# KiCad board roboRIO-interface-v3.kicad_pcb
title: roboRIO Interface; date: 2025-12-31; rev: 3; company: 1868 SPACE COOKIES
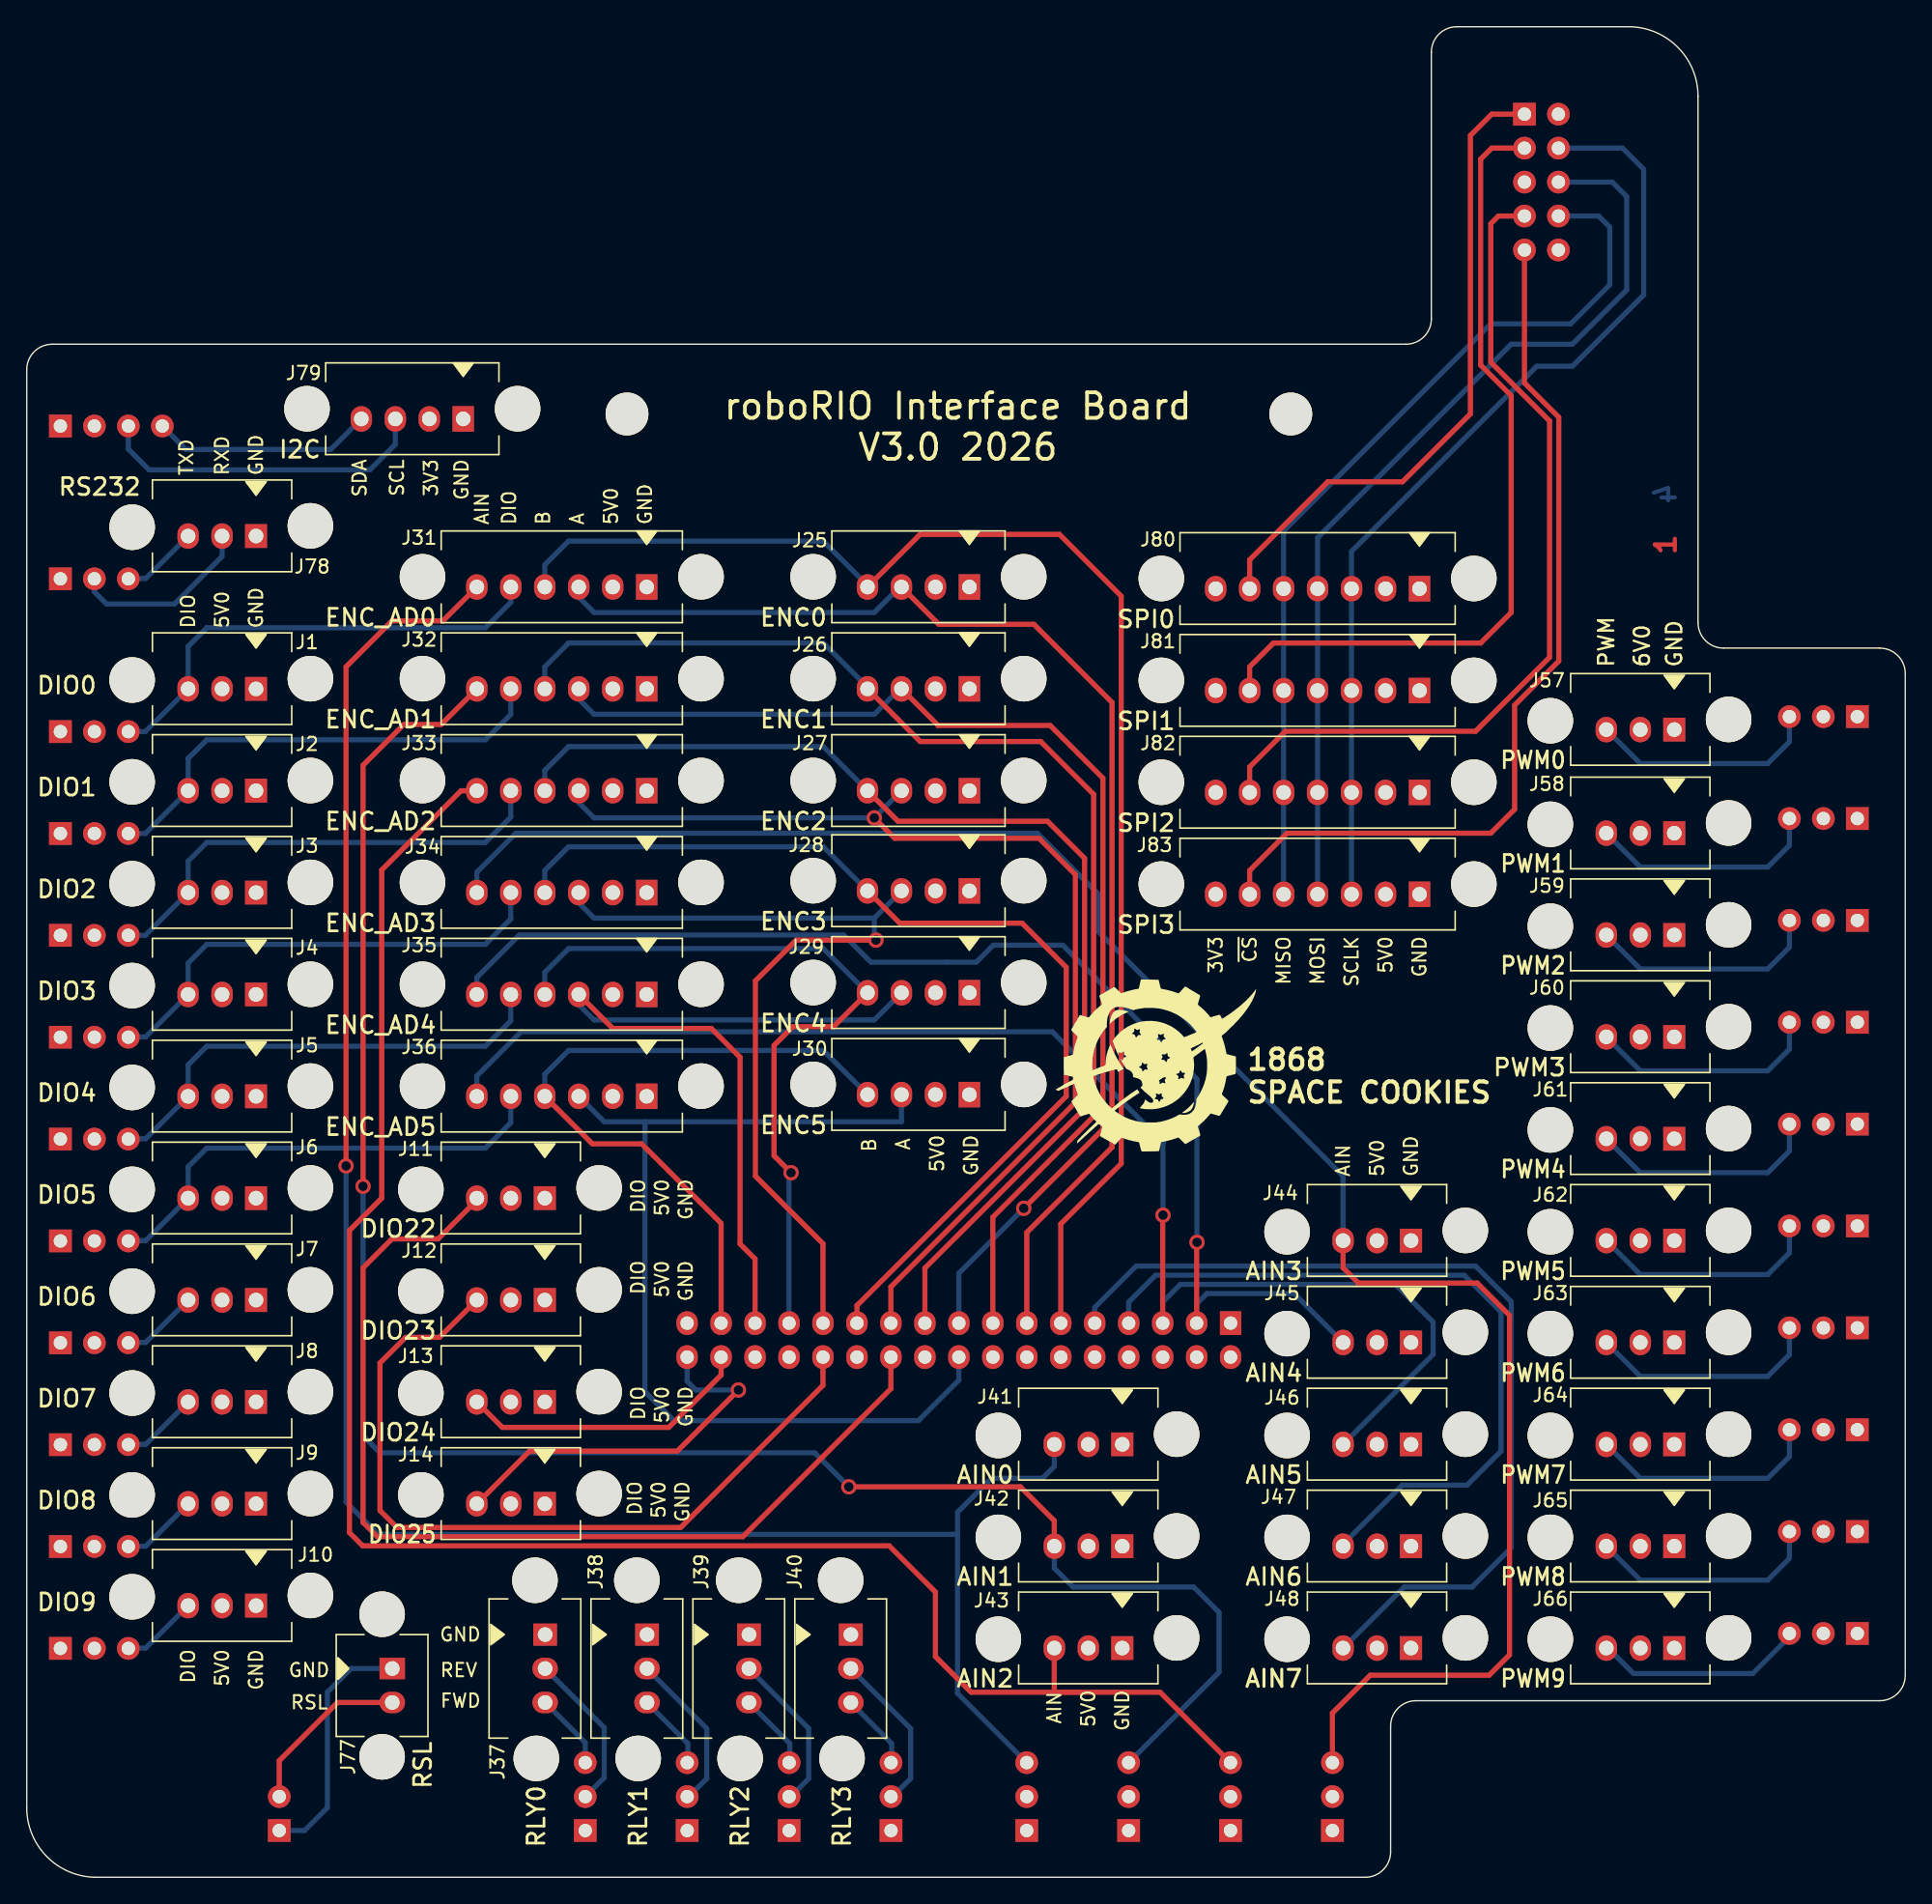
[diagram p0: board, top side]
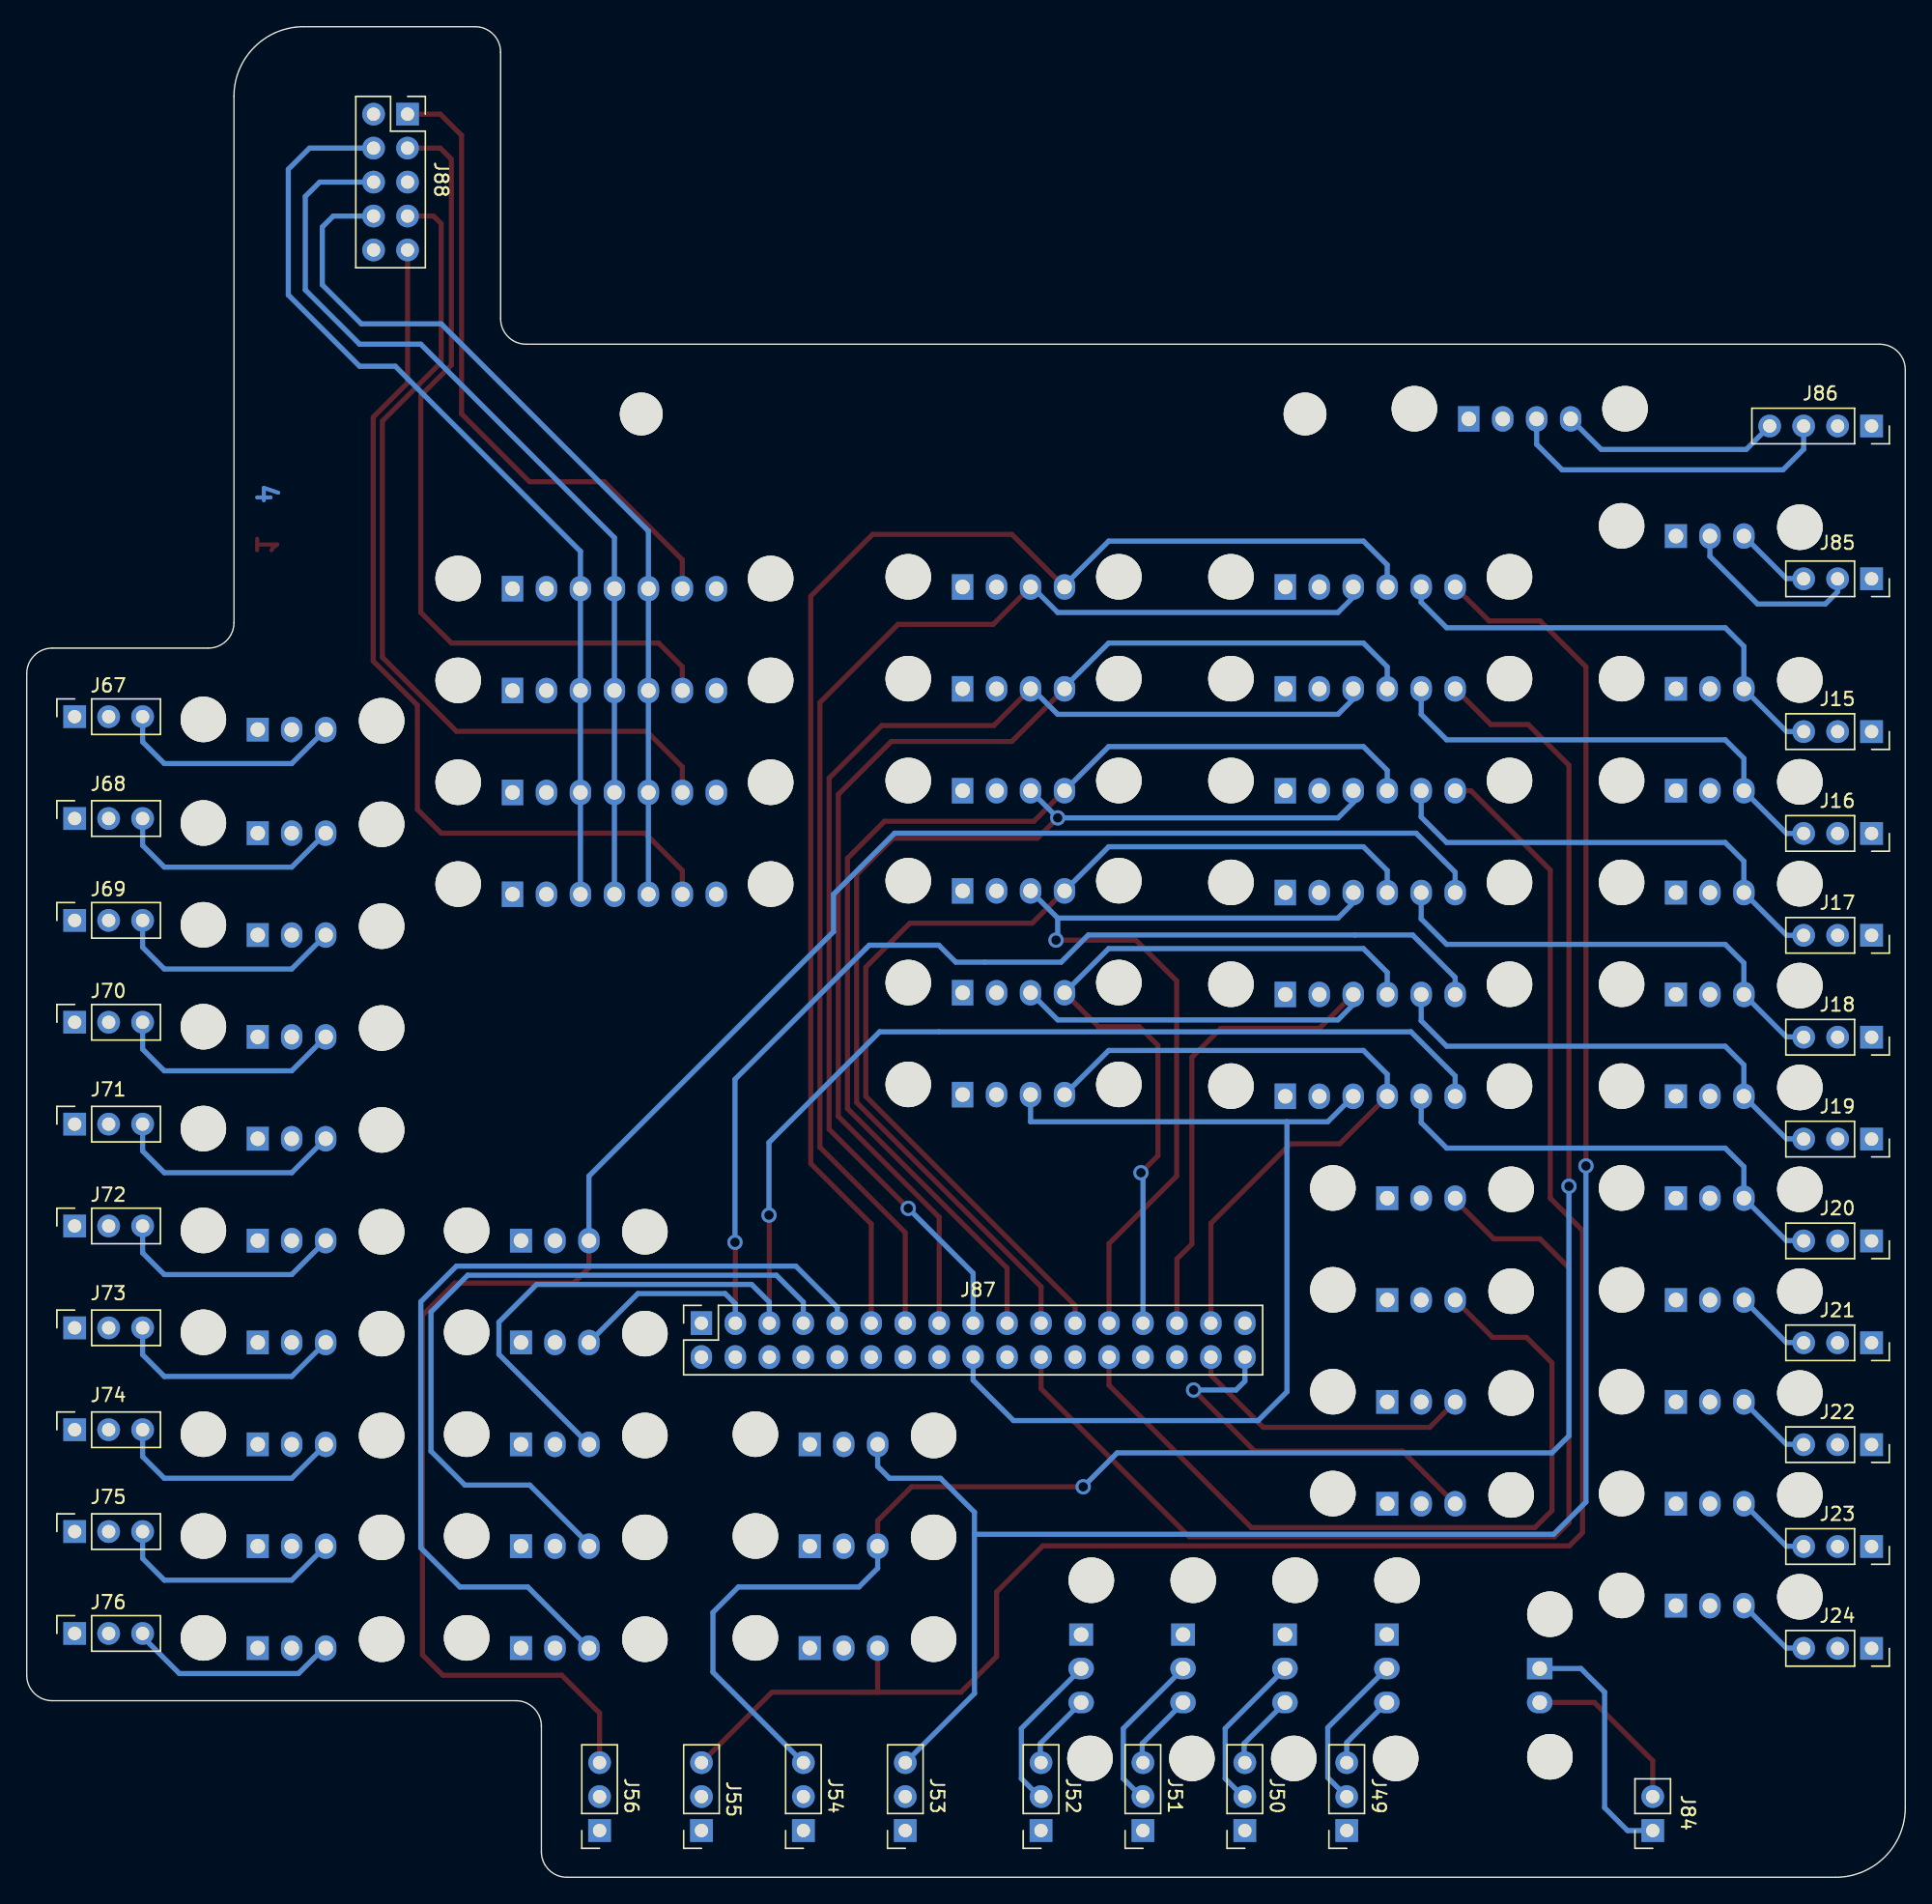
[diagram p1: board, bottom side, seen from below]

Outline 140.46 x 138.43 mm; copper layers: Top, In1.Cu, In2.Cu, Bottom. Coordinates in mm from the lower left corner of the outline.
Outline path: 0,112.78 arc(0.56,114.12) 1.91,114.68 103.12,114.68 arc(104.47,115.24) 105.03,116.59 105.03,136.52 arc(105.59,137.87) 106.93,138.43 119.76,138.43 arc(123.44,136.9) 124.97,133.22 124.97,93.85 arc(125.53,92.51) 126.87,91.95 138.56,91.95 arc(139.9,91.39) 140.46,90.04 140.46,15.11 arc(139.9,13.77) 138.56,13.21 103.89,13.21 arc(102.54,12.65) 101.98,11.3 101.98,1.91 arc(101.42,0.56) 100.08,0 5.21,0 arc(1.53,1.53) 0,5.21 0,112.78
Stack: Top 0.035mm / dielectric 0.508mm FR4 er 4.5 / In1.Cu 0.035mm / dielectric 0.508mm FR4 er 4.5 / In2.Cu 0.035mm / dielectric 0.508mm FR4 er 4.5 / Bottom 0.035mm

## Placement (name value [footprint] x y rotation side)
G1  Space Cookies Logo  [SPACE_COOKIES_LOGO_15mm]  84.43 60.73 0 top
H1  MountingHole  [MountingHole_3.2mm_M3]  44.88 109.46 0 top
H2  MountingHole  [MountingHole_3.2mm_M3]  94.51 109.46 0 top
J1  DIO0  [70541-0002]  17.15 88.9 0 top  (not fitted)
J2  DIO1  [70541-0002]  17.15 81.28 0 top  (not fitted)
J3  DIO2  [70541-0002]  17.15 73.66 0 top  (not fitted)
J4  DIO3  [70541-0002]  17.15 66.04 0 top  (not fitted)
J5  DIO4  [70541-0002]  17.15 58.42 0 top
J6  DIO5  [70541-0002]  17.15 50.8 0 top
J7  DIO6  [70541-0002]  17.15 43.18 0 top
J8  DIO7  [70541-0002]  17.15 35.56 0 top
J9  DIO8  [70541-0002]  17.15 27.94 0 top  (not fitted)
J10  DIO9  [70541-0002]  17.15 20.32 0 top  (not fitted)
J11  DIO22  [70541-0002]  38.74 50.8 0 top  (not fitted)
J12  DIO23  [70541-0002]  38.74 43.18 0 top  (not fitted)
J13  DIO24  [70541-0002]  38.74 35.56 0 top  (not fitted)
J14  DIO25  [70541-0002]  38.74 27.94 0 top  (not fitted)
J15  RR_DIO0  [PinSocket_1x03_P2.54mm_Vertical]  2.52 85.7 270 bottom
J16  RR_DIO1  [PinSocket_1x03_P2.54mm_Vertical]  2.52 78.08 270 bottom  (not fitted)
J17  RR_DIO2  [PinSocket_1x03_P2.54mm_Vertical]  2.52 70.46 270 bottom  (not fitted)
J18  RR_DIO3  [PinSocket_1x03_P2.54mm_Vertical]  2.52 62.84 270 bottom  (not fitted)
J19  RR_DIO4  [PinSocket_1x03_P2.54mm_Vertical]  2.52 55.22 270 bottom
J20  RR_DIO5  [PinSocket_1x03_P2.54mm_Vertical]  2.52 47.6 270 bottom
J21  RR_DIO6  [PinSocket_1x03_P2.54mm_Vertical]  2.52 39.98 270 bottom
J22  RR_DIO7  [PinSocket_1x03_P2.54mm_Vertical]  2.52 32.36 270 bottom
J23  RR_DIO8  [PinSocket_1x03_P2.54mm_Vertical]  2.52 24.74 270 bottom  (not fitted)
J24  RR_DIO9  [PinSocket_1x03_P2.54mm_Vertical]  2.52 17.12 270 bottom  (not fitted)
J25  ENC0  [70541-0003]  70.49 96.52 0 top  (not fitted)
J26  ENC1  [70541-0003]  70.49 88.9 0 top  (not fitted)
J27  ENC2  [70541-0003]  70.49 81.28 0 top  (not fitted)
J28  ENC3  [70541-0003]  70.49 73.79 0 top  (not fitted)
J29  ENC4  [70541-0003]  70.49 66.17 0 top  (not fitted)
J30  ENC5  [70541-0003]  70.49 58.55 0 top  (not fitted)
J31  ENC_AD0  [70541-0005]  46.36 96.52 0 top  (not fitted)
J32  ENC_AD1  [70541-0005]  46.36 88.9 0 top  (not fitted)
J33  ENC_AD2  [70541-0005]  46.36 81.28 0 top  (not fitted)
J34  ENC_AD3  [70541-0005]  46.36 73.66 0 top  (not fitted)
J35  ENC_AD4  [70541-0005]  46.36 66.04 0 top  (not fitted)
J36  ENC_AD5  [70541-0005]  46.36 58.42 0 top  (not fitted)
J37  RLY0  [70541-0002]  38.76 18.15 90 top  (not fitted)
J38  RLY1  [70541-0002]  46.38 18.15 90 top  (not fitted)
J39  RLY2  [70541-0002]  54 18.15 90 top  (not fitted)
J40  RLY3  [70541-0002]  61.62 18.15 90 top  (not fitted)
J41  AIN0  [70541-0002]  81.92 32.38 0 top
J42  AIN1  [70541-0002]  81.92 24.76 0 top
J43  AIN2  [70541-0002]  81.92 17.14 0 top
J44  AIN3  [70541-0002]  103.5 47.62 0 top  (not fitted)
J45  AIN4  [70541-0002]  103.5 40 0 top  (not fitted)
J46  AIN5  [70541-0002]  103.5 32.38 0 top  (not fitted)
J47  AIN6  [70541-0002]  103.5 24.76 0 top  (not fitted)
J48  AIN7  [70541-0002]  103.5 17.14 0 top  (not fitted)
J49  RR_RELAY0  [PinSocket_1x03_P2.54mm_Vertical]  41.76 3.5 0 bottom  (not fitted)
J50  RR_RELAY1  [PinSocket_1x03_P2.54mm_Vertical]  49.38 3.5 0 bottom  (not fitted)
J51  RR_RELAY2  [PinSocket_1x03_P2.54mm_Vertical]  57 3.5 0 bottom  (not fitted)
J52  RR_RELAY3  [PinSocket_1x03_P2.54mm_Vertical]  64.62 3.5 0 bottom  (not fitted)
J53  RR_AIN0  [PinSocket_1x03_P2.54mm_Vertical]  74.77 3.5 0 bottom
J54  RR_AIN1  [PinSocket_1x03_P2.54mm_Vertical]  82.39 3.5 0 bottom
J55  RR_AIN2  [PinSocket_1x03_P2.54mm_Vertical]  90.01 3.5 0 bottom
J56  RR_AIN3  [PinSocket_1x03_P2.54mm_Vertical]  97.63 3.5 0 bottom  (not fitted)
J57  PWM0  [70541-0002]  123.19 85.85 0 top  (not fitted)
J58  PWM1  [70541-0002]  123.19 78.1 0 top  (not fitted)
J59  PWM2  [70541-0002]  123.19 70.48 0 top  (not fitted)
J60  PWM3  [70541-0002]  123.19 62.86 0 top  (not fitted)
J61  PWM4  [70541-0002]  123.19 55.25 0 top  (not fitted)
J62  PWM5  [70541-0002]  123.19 47.62 0 top  (not fitted)
J63  PWM6  [70541-0002]  123.19 40 0 top  (not fitted)
J64  PWM7  [70541-0002]  123.19 32.38 0 top  (not fitted)
J65  PWM8  [70541-0002]  123.19 24.76 0 top  (not fitted)
J66  PWM9  [70541-0002]  123.19 17.14 0 top  (not fitted)
J67  RR_PWM0  [PinSocket_1x03_P2.54mm_Vertical]  136.88 86.82 90 bottom
J68  RR_PWM1  [PinSocket_1x03_P2.54mm_Vertical]  136.88 79.2 90 bottom
J69  RR_PWM2  [PinSocket_1x03_P2.54mm_Vertical]  136.88 71.58 90 bottom  (not fitted)
J70  RR_PWM3  [PinSocket_1x03_P2.54mm_Vertical]  136.88 63.96 90 bottom  (not fitted)
J71  RR_PWM4  [PinSocket_1x03_P2.54mm_Vertical]  136.88 56.34 90 bottom  (not fitted)
J72  RR_PWM5  [PinSocket_1x03_P2.54mm_Vertical]  136.88 48.72 90 bottom  (not fitted)
J73  RR_PWM6  [PinSocket_1x03_P2.54mm_Vertical]  136.88 41.1 90 bottom  (not fitted)
J74  RR_PWM7  [PinSocket_1x03_P2.54mm_Vertical]  136.88 33.48 90 bottom  (not fitted)
J75  RR_PWM8  [PinSocket_1x03_P2.54mm_Vertical]  136.88 25.86 90 bottom  (not fitted)
J76  RR_PWM9  [PinSocket_1x03_P2.54mm_Vertical]  136.88 18.24 90 bottom
J77  RSL  [70541-0001]  27.33 15.61 270 top
J78  RS232  [70541-0002]  17.15 100.33 0 top
J79  I2C  [70541-0003]  32.64 109.09 0 top  (not fitted)
J80  SPI0  [70541-0006]  104.14 96.39 0 top  (not fitted)
J81  SPI1  [70541-0006]  104.14 88.77 0 top  (not fitted)
J82  SPI2  [70541-0006]  104.14 81.15 0 top  (not fitted)
J83  SPI3  [70541-0006]  104.14 73.53 0 top  (not fitted)
J84  RR_RSL  [PinSocket_1x02_P2.54mm_Vertical]  18.88 3.5 0 bottom
J85  RR_RS-232  [PinSocket_1x03_P2.54mm_Vertical]  2.52 97.13 270 bottom
J86  RR_I2C  [PinSocket_1x04_P2.54mm_Vertical]  2.52 108.56 270 bottom  (not fitted)
J87  RR_MXP  [PinSocket_2x17_P2.54mm_Vertical]  90.02 41.45 90 bottom  (not fitted)
J88  RR_SPI  [PinSocket_2x05_P2.54mm_Vertical]  111.99 131.89 180 bottom  (not fitted)

## Library data of the parts
G1 = -: Description: Filled arrow, 300mil; Sim.Enable: 0
H1 H2 = -: ki_fp_filters: MountingHole*
J1-J14 J37-J48 J57-J66 J78 = -: MFG: Molex; MFG P/N: 0705410037; DIST: Digikey; DIST P/N: WM20415-ND; ki_fp_filters: Connector*:*_1x??_*
J15-J24 J49-J56 J67-J76 J85 = -: MFG: Sullins Connector Solutions; MFG P/N: PPTC031LFBN-RC; DIST: Digikey; DIST P/N: S7001-ND; ki_fp_filters: Connector*:*_1x??_*
J25-J30 J79 = -: MFG: Molex; MFG P/N: 0705410038; DIST: Digikey; DIST P/N: WM12790-ND; ki_fp_filters: Connector*:*_1x??_*
J31-J36 = -: MFG: Molex; MFG P/N: 070541-0039; DIST: Mouser; DIST P/N: 538-70541-0039; ki_fp_filters: Connector*:*_1x??_*
J77 = -: MFG: MOLEX; MFG P/N: 0705410036; DIST: Digikey; DIST P/N: WM14049-ND; ki_fp_filters: Connector*:*_1x??_*
J80-J83 = -: MFG: MOLEX; MFG P/N: 070541-0006; DIST: Digikey; DIST P/N: 0705410006-ND; ki_fp_filters: Connector*:*_1x??_*
J84 = -: MFG: Sullins Connector Solutions; MFG P/N: PPTC021LFBN-RC; DIST: Digikey; DIST P/N: S7000-ND; ki_fp_filters: Connector*:*_1x??_*
J86 = -: MFG: Sullins Connector Solutions; MFG P/N: PPTC041LFBN-RC; DIST: Digikey; DIST P/N: S7002-ND; ki_fp_filters: Connector*:*_1x??_*
J87 = -: MFG: Sullins Connector Solutions; MFG P/N: SFH11-PBPC-D17-ST-BK; DIST: Digikey; DIST P/N: S9199-ND; ki_fp_filters: Connector*:*_1x??_*
J88 = -: MFG: Sullins Connector Solutions; MFG P/N: SFH11-PBPC-D05-ST-BK; DIST: Digikey; DIST P/N: S9194-ND; ki_fp_filters: Connector*:*_1x??_*

## Footprints (pads in the part's own frame, mm; a bottom-side part is the same pattern mirrored in y, then rotated)
70541-0001
  round 3.404 hole 3.404 unplated: (-4.064,-0.762) (6.604,-0.762)
  rect 1.6x1.905 hole 1.092: 1(0,0)
  oval 1.6x1.905 hole 1.092: 2(2.54,0)
70541-0002
  round 3.404 hole 3.404 unplated: (-9.264,0.662) (4.064,0.762)
  rect 1.651x1.778 hole 1.092: 1(0,0)
  oval 1.6x1.905 hole 1.092: 2(-2.54,0) 3(-5.08,0)
70541-0003
  round 3.404 hole 3.404 unplated: (-11.684,0.762) (4.064,0.762)
  rect 1.6x1.905 hole 1.092: 1(0,0)
  oval 1.6x1.905 hole 1.092: 2(-2.54,0) 3(-5.08,0) 4(-7.62,0)
70541-0005
  round 3.404 hole 3.404 unplated: (-16.764,0.762) (4.064,0.762)
  rect 1.6x1.905 hole 1.092: 1(0,0)
  oval 1.6x1.905 hole 1.092: 2(-2.54,0) 3(-5.08,0) 4(-7.62,0) 5(-10.16,0) 6(-12.7,0)
70541-0006
  round 3.404 hole 3.404 unplated: (-19.304,0.762) (4.064,0.762)
  rect 1.6x1.905 hole 1.092: 1(0,0)
  oval 1.6x1.905 hole 1.092: 2(-2.54,0) 3(-5.08,0) 4(-7.62,0) 5(-10.16,0) 6(-12.7,0) 7(-15.24,0)
MountingHole_3.2mm_M3
  round 3.2 hole 3.2 unplated: (0,0)
PinSocket_1x02_P2.54mm_Vertical
  rect 1.7x1.7 hole 1: 1(0,0)
  oval 1.7x1.7 hole 1: 2(0,-2.54)
PinSocket_1x03_P2.54mm_Vertical
  rect 1.7x1.7 hole 1: 1(0,0)
  oval 1.7x1.7 hole 1: 2(0,-2.54) 3(0,-5.08)
PinSocket_1x04_P2.54mm_Vertical
  rect 1.7x1.7 hole 1: 1(0,0)
  oval 1.7x1.7 hole 1: 2(0,-2.54) 3(0,-5.08) 4(0,-7.62)
PinSocket_2x05_P2.54mm_Vertical
  rect 1.7x1.7 hole 1: 1(0,0)
  oval 1.7x1.7 hole 1: 2(-2.54,0) 3(0,-2.54) 4(-2.54,-2.54) 5(0,-5.08) 6(-2.54,-5.08) 7(0,-7.62) 8(-2.54,-7.62) 9(0,-10.16) 10(-2.54,-10.16)
PinSocket_2x17_P2.54mm_Vertical
  rect 1.778x1.6 hole 1: 1(0,0)
  oval 1.778x1.6 hole 1: 2(-2.54,0) 3(0,-2.54) 4(-2.54,-2.54) 5(0,-5.08) 6(-2.54,-5.08) 7(0,-7.62) 8(-2.54,-7.62) 9(0,-10.16) 10(-2.54,-10.16) 11(0,-12.7) 12(-2.54,-12.7) 13(0,-15.24) 14(-2.54,-15.24) 15(0,-17.78) 16(-2.54,-17.78) 17(0,-20.32) 18(-2.54,-20.32) 19(0,-22.86) 20(-2.54,-22.86) 21(0,-25.4) 22(-2.54,-25.4) 23(0,-27.94) 24(-2.54,-27.94) 25(0,-30.48) 26(-2.54,-30.48) 27(0,-33.02) 28(-2.54,-33.02) 29(0,-35.56) 30(-2.54,-35.56) 31(0,-38.1) 32(-2.54,-38.1) 33(0,-40.64) 34(-2.54,-40.64)

## Nets
/3V3: J79.2 J80.7 J81.7 J82.7 J83.7 J86.2 J88.10
/5V0: J1.2 J2.2 J3.2 J4.2 J5.2 J6.2 J7.2 J8.2 J9.2 J10.2 J11.2 J12.2 J13.2 J14.2 J15.2 J16.2 J17.2 J18.2 J19.2 J20.2 J21.2 J22.2 J23.2 J24.2 J25.2 J26.2 J27.2 J28.2 J29.2 J30.2 J31.2 J32.2 J33.2 J34.2 J35.2 J36.2 J41.2 J42.2 J43.2 J44.2 J45.2 J46.2 J47.2 J48.2 J53.2 J54.2 J55.2 J56.2 J80.2 J81.2 J82.2 J83.2 J87.1 J88.5
/6V0: J57.2 J58.2 J59.2 J60.2 J61.2 J62.2 J63.2 J64.2 J65.2 J66.2 J67.2 J68.2 J69.2 J70.2 J71.2 J72.2 J73.2 J74.2 J75.2 J76.2
/GND: J1.1 J2.1 J3.1 J4.1 J5.1 J6.1 J7.1 J8.1 J9.1 J10.1 J11.1 J12.1 J13.1 J14.1 J15.1 J16.1 J17.1 J18.1 J19.1 J20.1 J21.1 J22.1 J23.1 J24.1 J25.1 J26.1 J27.1 J28.1 J29.1 J30.1 J31.1 J32.1 J33.1 J34.1 J35.1 J36.1 J37.1 J38.1 J39.1 J40.1 J41.1 J42.1 J43.1 J44.1 J45.1 J46.1 J47.1 J48.1 J49.1 J50.1 J51.1 J52.1 J53.1 J54.1 J55.1 J56.1 J57.1 J58.1 J59.1 J60.1 J61.1 J62.1 J63.1 J64.1 J65.1 J66.1 J67.1 J68.1 J69.1 J70.1 J71.1 J72.1 J73.1 J74.1 J75.1 J76.1 J78.1 J79.1 J80.1 J81.1 J82.1 J83.1 J85.1 J86.1 J87.6 J87.8 J87.12 J87.16 J87.20 J87.24 J87.28 J87.30 J88.2
/A0: J25.3 J31.3 J87.13
/A1: J26.3 J32.3 J87.17
/A2: J27.3 J33.3 J87.21
/A3: J28.3 J34.3 J87.25
/A4: J29.3 J35.3 J87.29
/A5: J30.3 J36.3 J87.18
/AIN0: J31.6 J41.3 J53.3
/AIN1: J32.6 J42.3 J54.3
/AIN2: J33.6 J43.3 J55.3
/AIN3: J34.6 J44.3 J56.3
/AIN4: J35.6 J45.3 J87.3
/AIN5: J36.6 J46.3 J87.5
/AIN6: J47.3 J87.7
/AIN7: J48.3 J87.9
/B0: J25.4 J31.4 J87.11
/B1: J26.4 J32.4 J87.15
/B2: J27.4 J33.4 J87.19
/B3: J28.4 J34.4 J87.23
/B4: J29.4 J35.4 J87.27
/B5: J30.4 J36.4 J87.31
/DIO0: J1.3 J15.3 J31.5
/DIO1: J2.3 J16.3 J32.5
/DIO2: J3.3 J17.3 J33.5
/DIO3: J4.3 J18.3 J34.5
/DIO4: J5.3 J19.3 J35.5
/DIO5: J6.3 J20.3 J36.5
/DIO6: J7.3 J21.3
/DIO7: J8.3 J22.3
/DIO8: J9.3 J23.3
/DIO9: J10.3 J24.3
/DIO22: J11.3 J87.22
/DIO23: J12.3 J87.26
/DIO24: J13.3 J87.32
/DIO25: J14.3 J87.34
/FWD0: J37.3 J49.3
/FWD1: J38.3 J50.3
/FWD2: J39.3 J51.3
/FWD3: J40.3 J52.3
/MISO: J80.5 J81.5 J82.5 J83.5 J88.8
/MOSI: J80.4 J81.4 J82.4 J83.4 J88.6
/PWM0: J57.3 J67.3
/PWM1: J58.3 J68.3
/PWM2: J59.3 J69.3
/PWM3: J60.3 J70.3
/PWM4: J61.3 J71.3
/PWM5: J62.3 J72.3
/PWM6: J63.3 J73.3
/PWM7: J64.3 J74.3
/PWM8: J65.3 J75.3
/PWM9: J66.3 J76.3
/REV0: J37.2 J49.2
/REV1: J38.2 J50.2
/REV2: J39.2 J51.2
/REV3: J40.2 J52.2
/RSL: J77.2 J84.2
/RSL_GND: J77.1 J84.1
/RXD: J78.2 J85.2
/SCL: J79.3 J86.3
/SCLK: J80.3 J81.3 J82.3 J83.3 J88.4
/SDA: J79.4 J86.4
/TXD: J78.3 J85.3
/~{CS0}: J80.6 J88.1
/~{CS1}: J81.6 J88.3
/~{CS2}: J82.6 J88.7
/~{CS3}: J83.6 J88.9

Pads without a net: J87 2 4 10 14 33

## Via types
v1: diameter 1.143, hole 0.711, Top to Bottom, 10 vias

## Routing (per net, layer and track width the routed paths; a pad name or vN(x,y) marks a point on that pad's centre or on a via; arc(x,y) is an arc through that point)
/A0: length 94.6
  Top w0.381: J87.13 74.78,48.23 81.15,54.61 81.15,87.89 75.31,93.73 68.2,93.73 J25.3
  Bottom w0.381: 65.41,96.65 63.37,94.61 42.42,94.61 41.28,95.76 J31.3
/A1: length 89.3
  Top w0.381: v1(74.55,50.04) 80.47,55.95 80.47,82.22 76.53,86.16 68.15,86.16 J26.3
  Bottom w0.381: J32.3 41.28,88.14 42.42,86.99 63.37,86.99 65.41,89.03 ; v1(74.55,50.04) 69.7,45.19 J87.17
/A2: length 82.3
  Top w0.381: v1(63.37,79.25) 64.9,77.72 75.69,77.72 78.41,75.01 78.41,57.96 64.62,44.17 J87.21
  Bottom w0.381: J27.3 v1(63.37,79.25) 42.42,79.25 41.28,80.39 41.28,81.15
/A3: length 65.9
  Top w0.381: v1(63.5,70.1) 57.53,70.1 54.48,67.06 54.48,52.45 59.54,47.4 J87.25
  Bottom w0.381: v1(63.5,70.1) 63.37,70.23 63.37,71.75 ; 63.37,71.75 J28.3 ; 63.37,71.75 42.42,71.75 41.28,72.9 J34.3
/A4: length 60.6
  Top w0.381: J87.29 54.46,46.25 53.34,47.37 53.34,61.34 51.18,63.5 43.82,63.5 J35.3
  Bottom w0.381: J35.3 41.28,65.28 42.42,64.13 63.37,64.13 J29.3
/A5: length 74.5
  Bottom w0.381: 46.23,56.51 46.23,36.32 48.39,34.16 66.68,34.16 69.7,37.19 J87.18 ; 46.23,56.51 43.18,56.51 J36.3 ; 46.23,56.51 65.41,56.51 J30.3
/AIN0: length 152.6
  Top w0.381: v1(23.88,53.21) 23.88,90.55 27.31,93.98 31.12,93.98 J31.6
  Bottom w0.381: J41.3 76.84,30.73 75.95,29.84 72.14,29.84 69.6,27.31 69.6,25.65 ; v1(23.88,53.21) 23.88,28.07 26.29,25.65 69.6,25.65 ; 69.6,25.65 69.6,13.75 J53.3
/AIN1: length 146.6
  Top w0.381: J32.6 30.99,86.23 28.19,86.23 25.15,83.18 v1(25.15,51.69) ; v1(61.47,29.21) 74.3,29.21 76.84,26.67 J42.3
  Bottom w0.381: v1(25.15,51.69) 25.15,33.02 26.42,31.75 58.93,31.75 v1(61.47,29.21) ; J54.3 89.15,15.34 89.15,19.81 87.25,21.72 78.23,21.72 76.84,23.11 J42.3
/AIN2: length 141.2
  Top w0.381: J43.3 76.84,13.84 78.74,13.84 ; 78.74,13.84 70.61,13.84 67.94,16.51 67.94,21.34 64.49,24.79 25.12,24.79 24.13,25.78 24.13,48.39 26.54,50.8 26.54,75.35 32.47,81.28 J33.6 ; 78.74,13.84 84.74,13.84 J55.3
/AIN3: length 144.7
  Top w0.381: J56.3 97.63,12.29 100.46,15.11 109.35,15.11 110.87,16.64 110.87,42.04 108.46,44.45 99.57,44.45 98.43,45.59 J44.3
  Bottom w0.381: J44.3 98.43,52.45 80.14,70.74 80.14,73.53 75.56,78.1 36.58,78.1 33.66,75.18 J34.6
/AIN4: length 94.4
  Top w0.381: v1(87.5,47.5) 87.48,47.47 J87.3
  Bottom w0.381: J45.3 94.77,43.66 88.24,43.66 87.48,42.9 J87.3 ; J35.6 33.66,67.31 36.83,70.48 61.09,70.48 63.12,68.45 70.99,68.45 72.26,69.72 77.47,69.72 87.5,59.69 v1(87.5,47.5)
/AIN5: length 106.6
  Top w0.381: v1(84.96,49.53) 84.94,49.5 J87.5
  Bottom w0.381: v1(84.96,49.53) 84.96,54.97 76.68,63.25 36.96,63.25 33.66,59.94 J36.6 ; J46.3 105.16,39.12 105.16,41.53 102.34,44.35 86.26,44.35 84.94,43.03 J87.5
/AIN6: length 56.6
  Bottom w0.381: J87.7 82.4,43.03 84.4,45.03 107.49,45.03 110.24,42.29 110.24,31.88 107.7,29.34 102.84,29.34 98.43,24.92 J47.3
/AIN7: length 68.8
  Bottom w0.381: J87.9 79.86,42.62 82.96,45.72 108.33,45.72 111,43.05 111,24.64 108.08,21.72 103,21.72 J48.3
/B0: length 106.7
  Top w0.381: J25.4 66.8,100.46 77.22,100.46 81.84,95.84 81.84,53.39 77.32,48.87 J87.11
  Bottom w0.381: J31.4 38.74,98.17 40.51,99.95 59.56,99.95 62.87,96.65
/B1: length 90.7
  Top w0.381: J87.15 72.24,49.38 79.78,56.92 79.78,81 75.82,84.96 66.8,84.96 J26.4
  Bottom w0.381: 62.87,89.03 59.56,92.33 40.51,92.33 38.74,90.55 J32.4
/B2: length 85.9
  Top w0.381: J27.4 65.15,78.99 76.33,78.99 79.09,76.23 79.09,57.5 67.16,45.57 J87.19
  Bottom w0.381: 38.74,81.15 38.74,82.8 40.51,84.58 59.56,84.58 J27.4
/B3: length 78.2
  Top w0.381: J87.23 62.08,42.77 77.72,58.42 77.72,68.07 74.42,71.37 65.28,71.37 J28.4
  Bottom w0.381: J34.4 38.74,75.31 40.51,77.09 59.56,77.09 J28.4
/B4: length 57.9
  Top w0.381: v1(57.15,52.7) 55.88,53.97 55.88,62.23 57.28,63.63 60.33,63.63 J29.4
  Bottom w0.381: J87.27 57,52.55 v1(57.15,52.7) ; J29.4 59.56,69.47 40.51,69.47 38.74,67.69 J35.4
/B5: length 52.5
  Top w0.381: J87.31 51.92,48.92 45.97,54.86 42.29,54.86 J36.4
  Bottom w0.381: J30.4 59.56,61.85 40.51,61.85 38.74,60.07 J36.4
/DIO0: length 35.6
  Bottom w0.381: J31.5 36.2,95.38 34.29,93.47 13.46,93.47 12.07,92.07 J1.3 8.87,85.7 J15.3
/DIO1: length 35.6
  Bottom w0.381: J16.3 8.87,78.08 J2.3 12.07,83.69 13.46,85.09 34.29,85.09 36.2,86.99 J32.5
/DIO2: length 35.6
  Bottom w0.381: J17.3 8.87,70.46 J3.3 ; 12.07,73.6 12.07,76.01 13.46,77.41 34.29,77.41 36.2,79.31 36.2,81.22
/DIO3: length 35.6
  Bottom w0.381: 36.2,73.6 36.2,71.69 34.29,69.79 13.46,69.79 12.07,68.39 12.07,65.98 ; 12.09,66.06 8.89,62.86 7.62,62.86
/DIO4: length 35.6
  Bottom w0.381: 12.09,58.44 8.89,55.25 7.62,55.25 ; 36.2,65.98 36.2,64.07 34.29,62.17 13.46,62.17 12.07,60.77 12.07,58.36
/DIO5: length 35.6
  Bottom w0.381: 12.07,50.74 12.07,53.15 13.46,54.55 34.29,54.55 36.2,56.45 36.2,58.36 ; 12.09,50.82 8.89,47.62 7.62,47.62
/DIO6: length 5.8
  Bottom w0.381: 12.09,43.2 8.89,40 7.62,40
/DIO7: length 5.8
  Bottom w0.381: 12.09,35.58 8.89,32.38 7.62,32.38
/DIO8: length 5.8
  Bottom w0.381: 12.09,27.96 8.89,24.76 7.62,24.76
/DIO9: length 5.8
  Bottom w0.381: 7.62,17.14 8.89,17.14 12.09,20.34
/DIO22: length 76.7
  Top w0.381: J87.22 64.62,36.55 53.54,25.48 26.21,25.48 25.15,26.54 25.15,45.59 27.31,47.75 30.76,47.75 33.66,50.65 J11.3
/DIO23: length 60.4
  Top w0.381: J12.3 30.86,40.39 28.32,40.39 26.42,38.48 26.42,27.43 27.69,26.16 48.9,26.16 59.54,36.8 J87.26
/DIO24: length 22
  Top w0.381: J13.3 35.56,33.66 48.01,33.66 51.92,37.57 J87.32
/DIO25: length 29
  Top w0.381: v1(53.21,36.45) 48.64,31.88 37.59,31.88 J14.3
  Bottom w0.381: J87.34 49.38,37.11 50.04,36.45 v1(53.21,36.45)
/FWD0: length 5.7
  Bottom w0.381: J37.3 41.76,10.07 J49.3
/FWD1: length 5.7
  Bottom w0.381: 49.43,8.51 49.43,10 46.43,13
/FWD2: length 5.7
  Bottom w0.381: 57.05,8.51 57.05,10 54.05,13
/FWD3: length 5.7
  Bottom w0.381: 61.67,13 64.67,10 64.67,8.51
/MISO: length 67.7
  Bottom w0.381: J88.8 117.54,124.27 118.36,123.44 118.36,119.13 115.44,116.2 109.47,116.2 93.98,100.71 J80.5 J83.5
/MOSI: length 70
  Bottom w0.381: J88.6 118.55,126.81 119.63,125.73 119.63,118.74 115.57,114.68 111,114.68 96.52,100.2 J80.4 J83.4
/PWM0: length 17.3
  Bottom w0.381: J67.3 131.8,84.94 130.18,83.31 120.65,83.31 J57.3
/PWM1: length 17.3
  Bottom w0.381: 131.8,79.07 131.8,77.19 130.18,75.56 120.65,75.56 J58.3
/PWM2: length 17.3
  Bottom w0.381: J59.3 120.65,67.94 130.18,67.94 131.8,69.57 131.8,71.45
/PWM3: length 17.3
  Bottom w0.381: 131.8,63.83 131.8,61.95 130.18,60.32 120.65,60.32 J60.3
/PWM4: length 17.3
  Bottom w0.381: J61.3 120.65,52.7 130.18,52.7 131.8,54.33 131.8,56.21
/PWM5: length 17.3
  Bottom w0.381: 131.8,48.59 131.8,46.71 130.18,45.08 120.65,45.08 J62.3
/PWM6: length 17.3
  Bottom w0.381: J63.3 120.65,37.47 130.18,37.47 131.8,39.09 131.8,40.97
/PWM7: length 17.3
  Bottom w0.381: J64.3 120.65,29.84 130.18,29.84 131.8,31.47 131.8,33.35
/PWM8: length 17.3
  Bottom w0.381: 131.8,25.73 131.8,23.85 130.18,22.22 120.65,22.22 J65.3
/PWM9: length 15.7
  Bottom w0.381: 118.24,17.14 120.14,15.24 129.05,15.24 131.93,18.11
/REV0: length 12
  Bottom w0.381: J37.2 43.18,11.2 43.18,7.45 J49.2
/REV1: length 12
  Bottom w0.381: 49.43,5.97 50.85,7.38 50.85,11.13 46.43,15.54
/REV2: length 12
  Bottom w0.381: 57.05,5.97 58.47,7.38 58.47,11.13 54.05,15.54
/REV3: length 12
  Bottom w0.381: 61.67,15.54 66.09,11.13 66.09,7.38 64.67,5.97
/RSL: length 12.9
  Top w0.381: J77.2 23.23,13.07 18.88,8.72 J84.2
/RSL_GND: length 18.5
  Bottom w0.381: J77.1 24.25,15.61 22.48,13.84 22.48,5.21 20.77,3.5 J84.1
/RXD: length 13.9
  Bottom w0.381: J78.2 14.61,98.81 11.05,95.25 5.97,95.25 5.06,96.16 J85.2
/SCL: length 25
  Bottom w0.381: J86.3 7.6,106.83 9.14,105.28 25.65,105.28 27.56,107.19 J79.3
/SCLK: length 71.9
  Bottom w0.381: J83.3 J80.3 99.06,99.19 112.9,113.03 115.57,113.03 120.9,118.36 120.9,127.76 119.32,129.35 J88.4
/SDA: length 16.6
  Bottom w0.381: J79.4 22.73,106.81 11.89,106.81 J86.4
/TXD: length 5.8
  Bottom w0.381: J85.3 7.62,97.15 8.89,97.15 J78.3
/~{CS0}: length 48.7
  Top w0.381: J88.1 109.54,131.89 107.95,130.3 107.95,109.47 102.87,104.39 97.28,104.39 91.44,98.55 J80.6
/~{CS1}: length 61.5
  Top w0.381: J88.3 109.54,129.35 108.71,128.52 108.71,113.12 111,110.84 111,94.61 108.71,92.33 93.22,92.33 91.44,90.55 J81.6
/~{CS2}: length 64.7
  Top w0.381: J82.6 91.44,83.06 94.11,85.72 108.33,85.72 113.87,91.26 113.87,108.94 109.47,113.33 109.47,123.7 110.05,124.27 J88.7
/~{CS3}: length 67.8
  Top w0.381: J88.9 111.99,111.79 114.55,109.22 114.55,90.98 111.25,87.68 111.25,79.88 109.47,78.1 94.23,78.1 91.44,75.31 J83.6

## Copper pours and planes (outline as drawn; the poured copper is in the pictures)
/3V3 on In1.Cu: 90.81,70.87 86.61,70.87 86.61,100.58 90.81,100.58
/3V3 on In1.Cu: 119.38,119.38 106.68,98.42 38.1,98.42 34.93,104.14 1.27,104.14 1.27,112.39 38.74,112.39 42.55,105.41 95.63,105.41 102.87,112.9 102.87,123.19 119.38,123.19
/5V0 on In1.Cu: 123.19,133.35 123.19,104.77 120.65,104.77 120.65,98.42 123.19,98.42 123.19,90.17 117.47,90.17 117.47,14.6 102.24,14.6 100.33,12.06 100.33,1.27 5.72,1.27 1.27,5.08 1.27,104.14 34.93,104.14 38.1,98.42 86.61,98.42 86.61,70.74 90.81,70.74 90.81,98.42 106.68,98.42 119.38,119.38 119.38,123.19 102.87,123.19 102.87,137.16 119.38,137.16
/6V0 on In1.Cu: 139.06,14.6 117.47,14.6 117.47,90.17 139.06,90.17
/GND on In2.Cu: 123.19,133.35 123.19,104.77 120.65,104.77 120.65,98.42 123.19,98.42 123.19,91.44 125.09,90.17 139.06,90.17 139.06,14.6 102.24,14.6 100.33,12.06 100.33,1.27 5.72,1.27 1.27,5.08 1.27,112.39 38.74,112.39 42.55,105.41 95.63,105.41 102.87,112.9 102.87,137.16 119.38,137.16

## Text on the board
Bottom: 4
Top: 1
F.Silkscreen: RSL | GND | REV | FWD | TXD | DIO | RXD | 5V0 | AIN | B | A | SDA | SCL | 3V3 | ~{CS} | MISO | MOSI | SCLK | PWM | 6V0 | 1868 / SPACE COOKIES | roboRIO Interface Board / V3.0 2026
In1.Cu: 2
In2.Cu: 3
User.1: F.Silkscreen | F.Paste | F.Mask | F.Cu | Dielectric | In1.Cu | In2.Cu | B.Cu | B.Mask | B.Paste | B.Silkscreen | Top Silk Screen | Top Solder Paste | Top Solder Mask | copper | core | prepreg | Bottom Solder Mask | Bottom Solder Paste | Bottom Silk Screen | Not specified | FR4 | 0 mils | 0.3937 mils | 1.37795 mils | 20 mils | 1 | 3.3 | 4.5 | 0 | 0.02 | Copper Layer Count: | Board overall dimensions: | Min track/spacing: | Copper Finish: | Castellated pads: | Edge card connectors: | 4 | 5530.00 mils x 5450.00 mils | 12.00 mils / 12.00 mils | None | No | Board Thickness: | Min hole diameter: | Impedance Control: | Plated Board Edge: | 66.30 mils | 11.81 mils | Layer Name | Type | Material | Thickness (mils) | Color | Epsilon R | Loss Tangent | BOARD CHARACTERISTICS
User.2: FRONT | BACK
